# Altium PCB Magnetic-Sequencer.PcbDoc (part 1 of 3)
Units mm, origin at the board's own origin, x right, y up, seen from the top; angles counter-clockwise.
Board outline 395 x 395 mm, 2 copper layers (Top Layer, Bottom Layer), stack 1.569 mm thick; 301 components, 112 nets, 1084 pads, 626 vias.
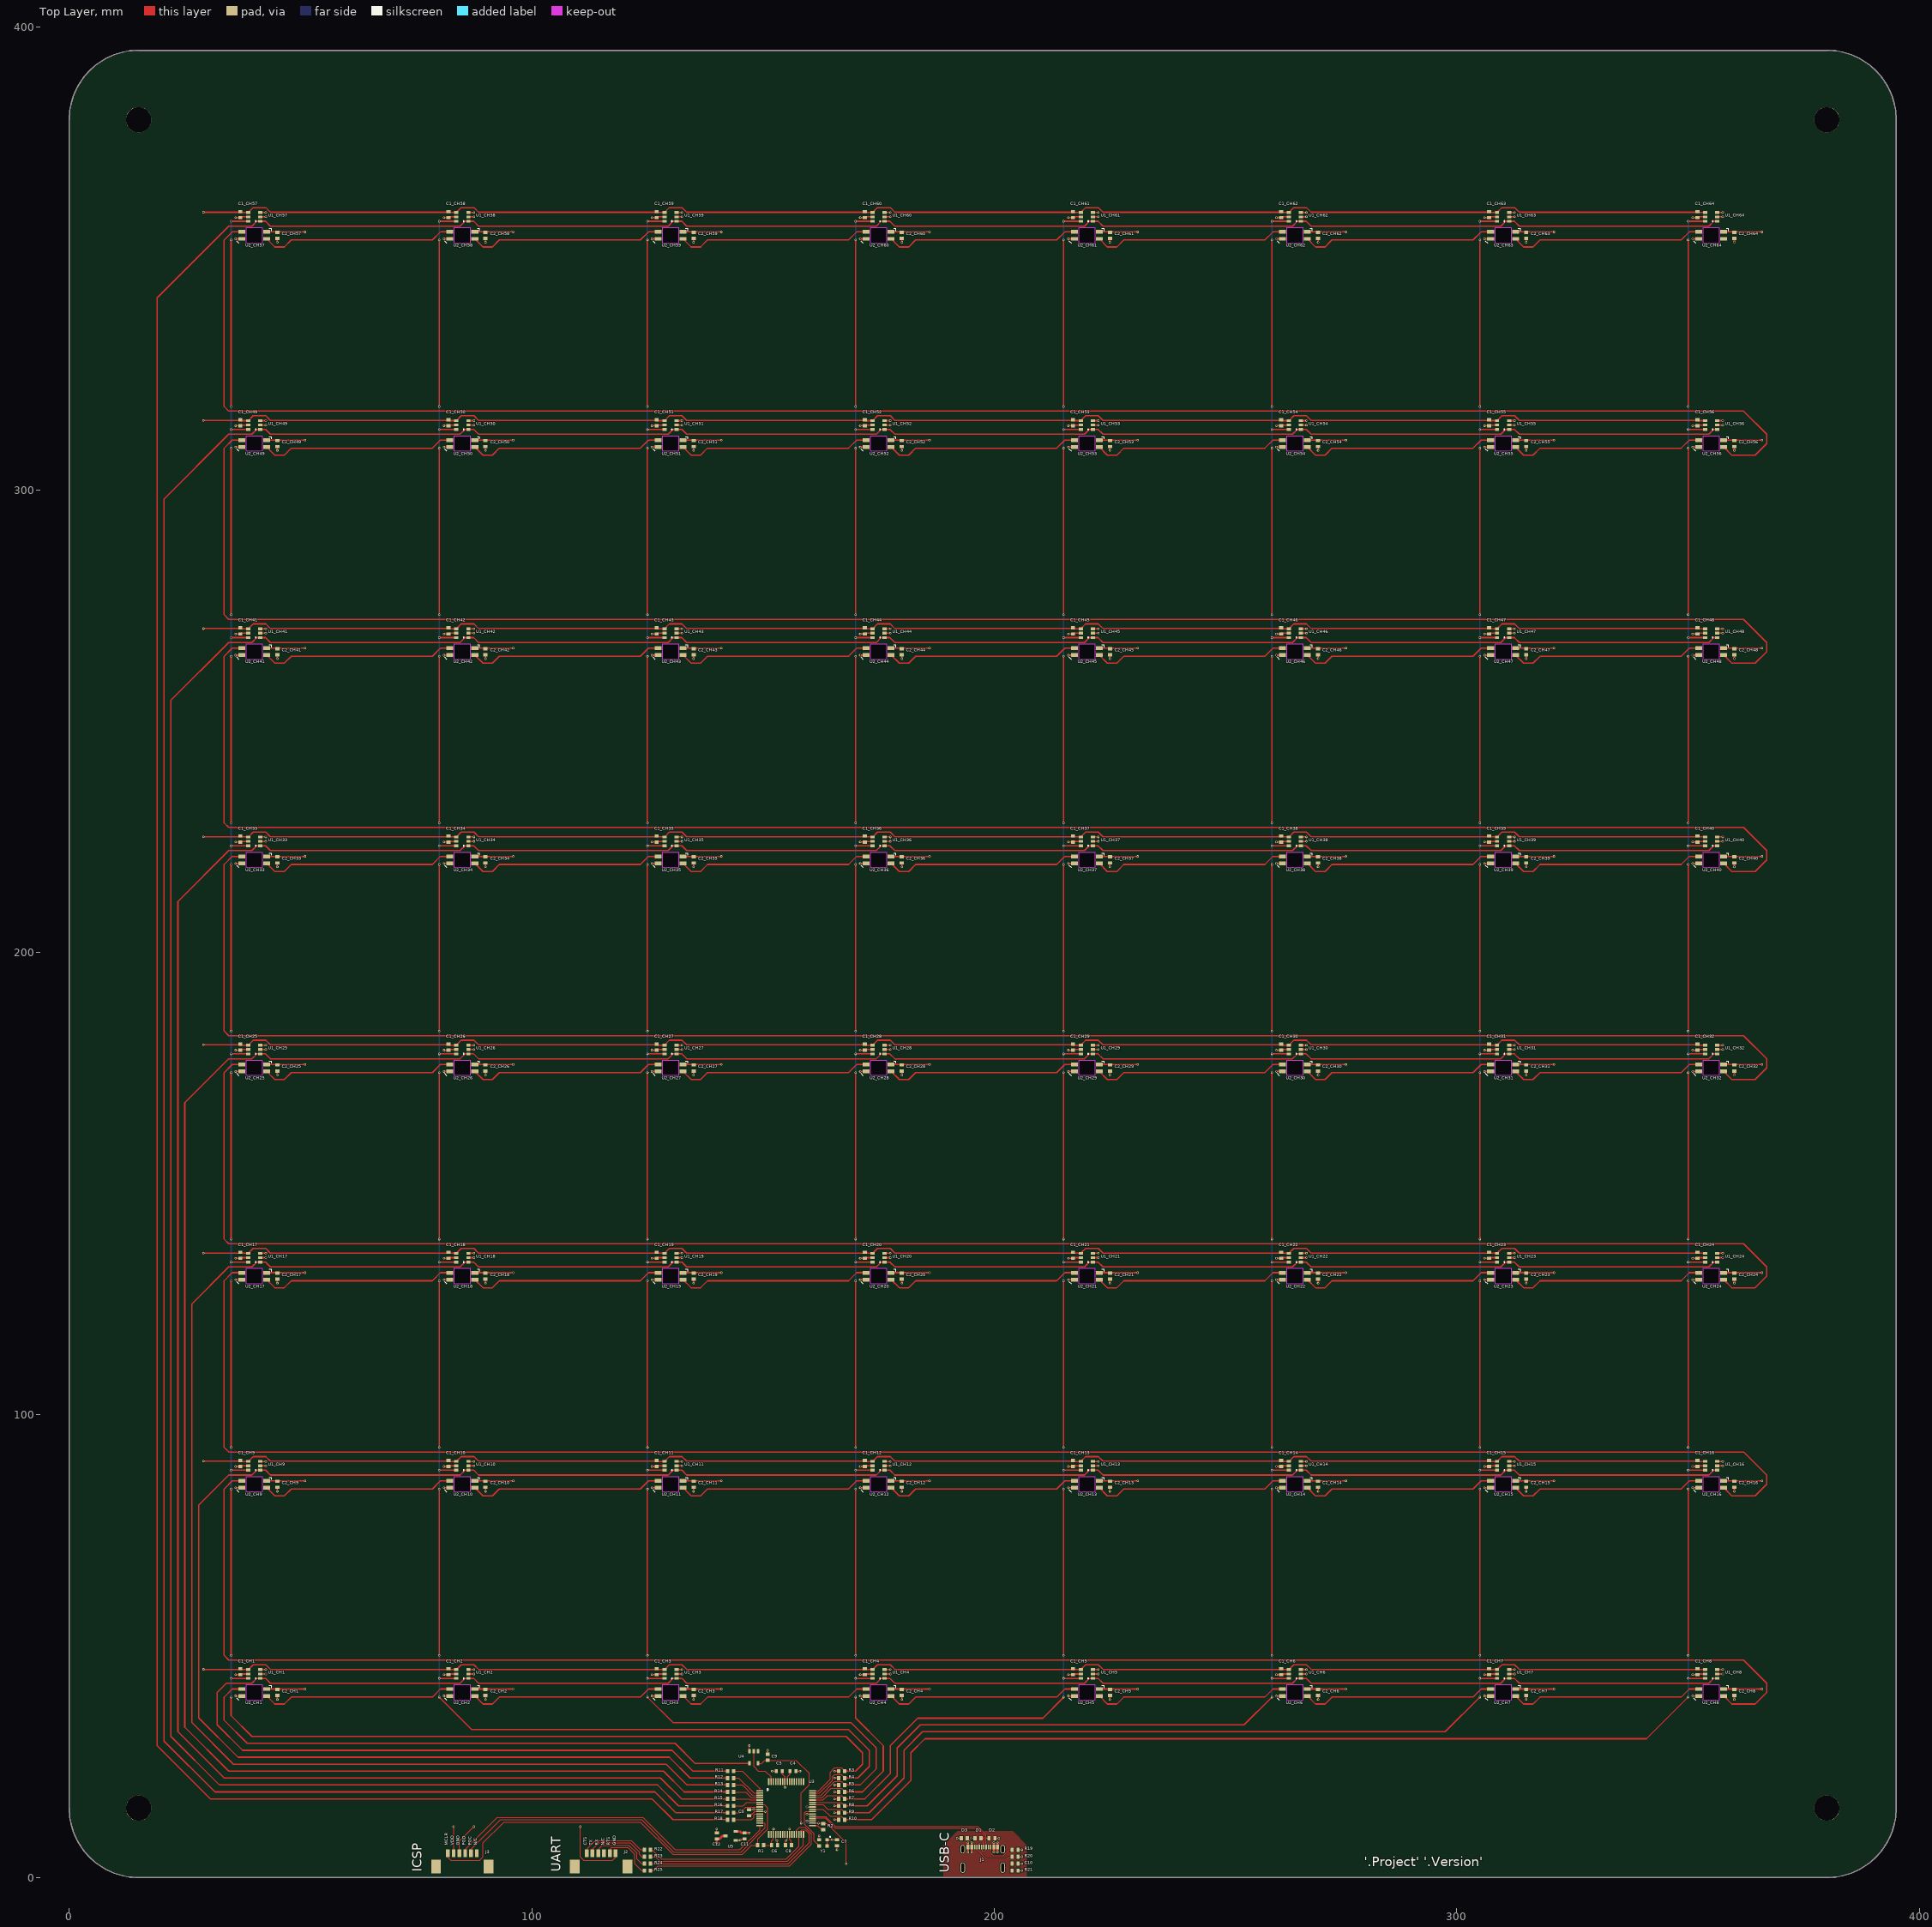
[diagram p0: Top Layer view]
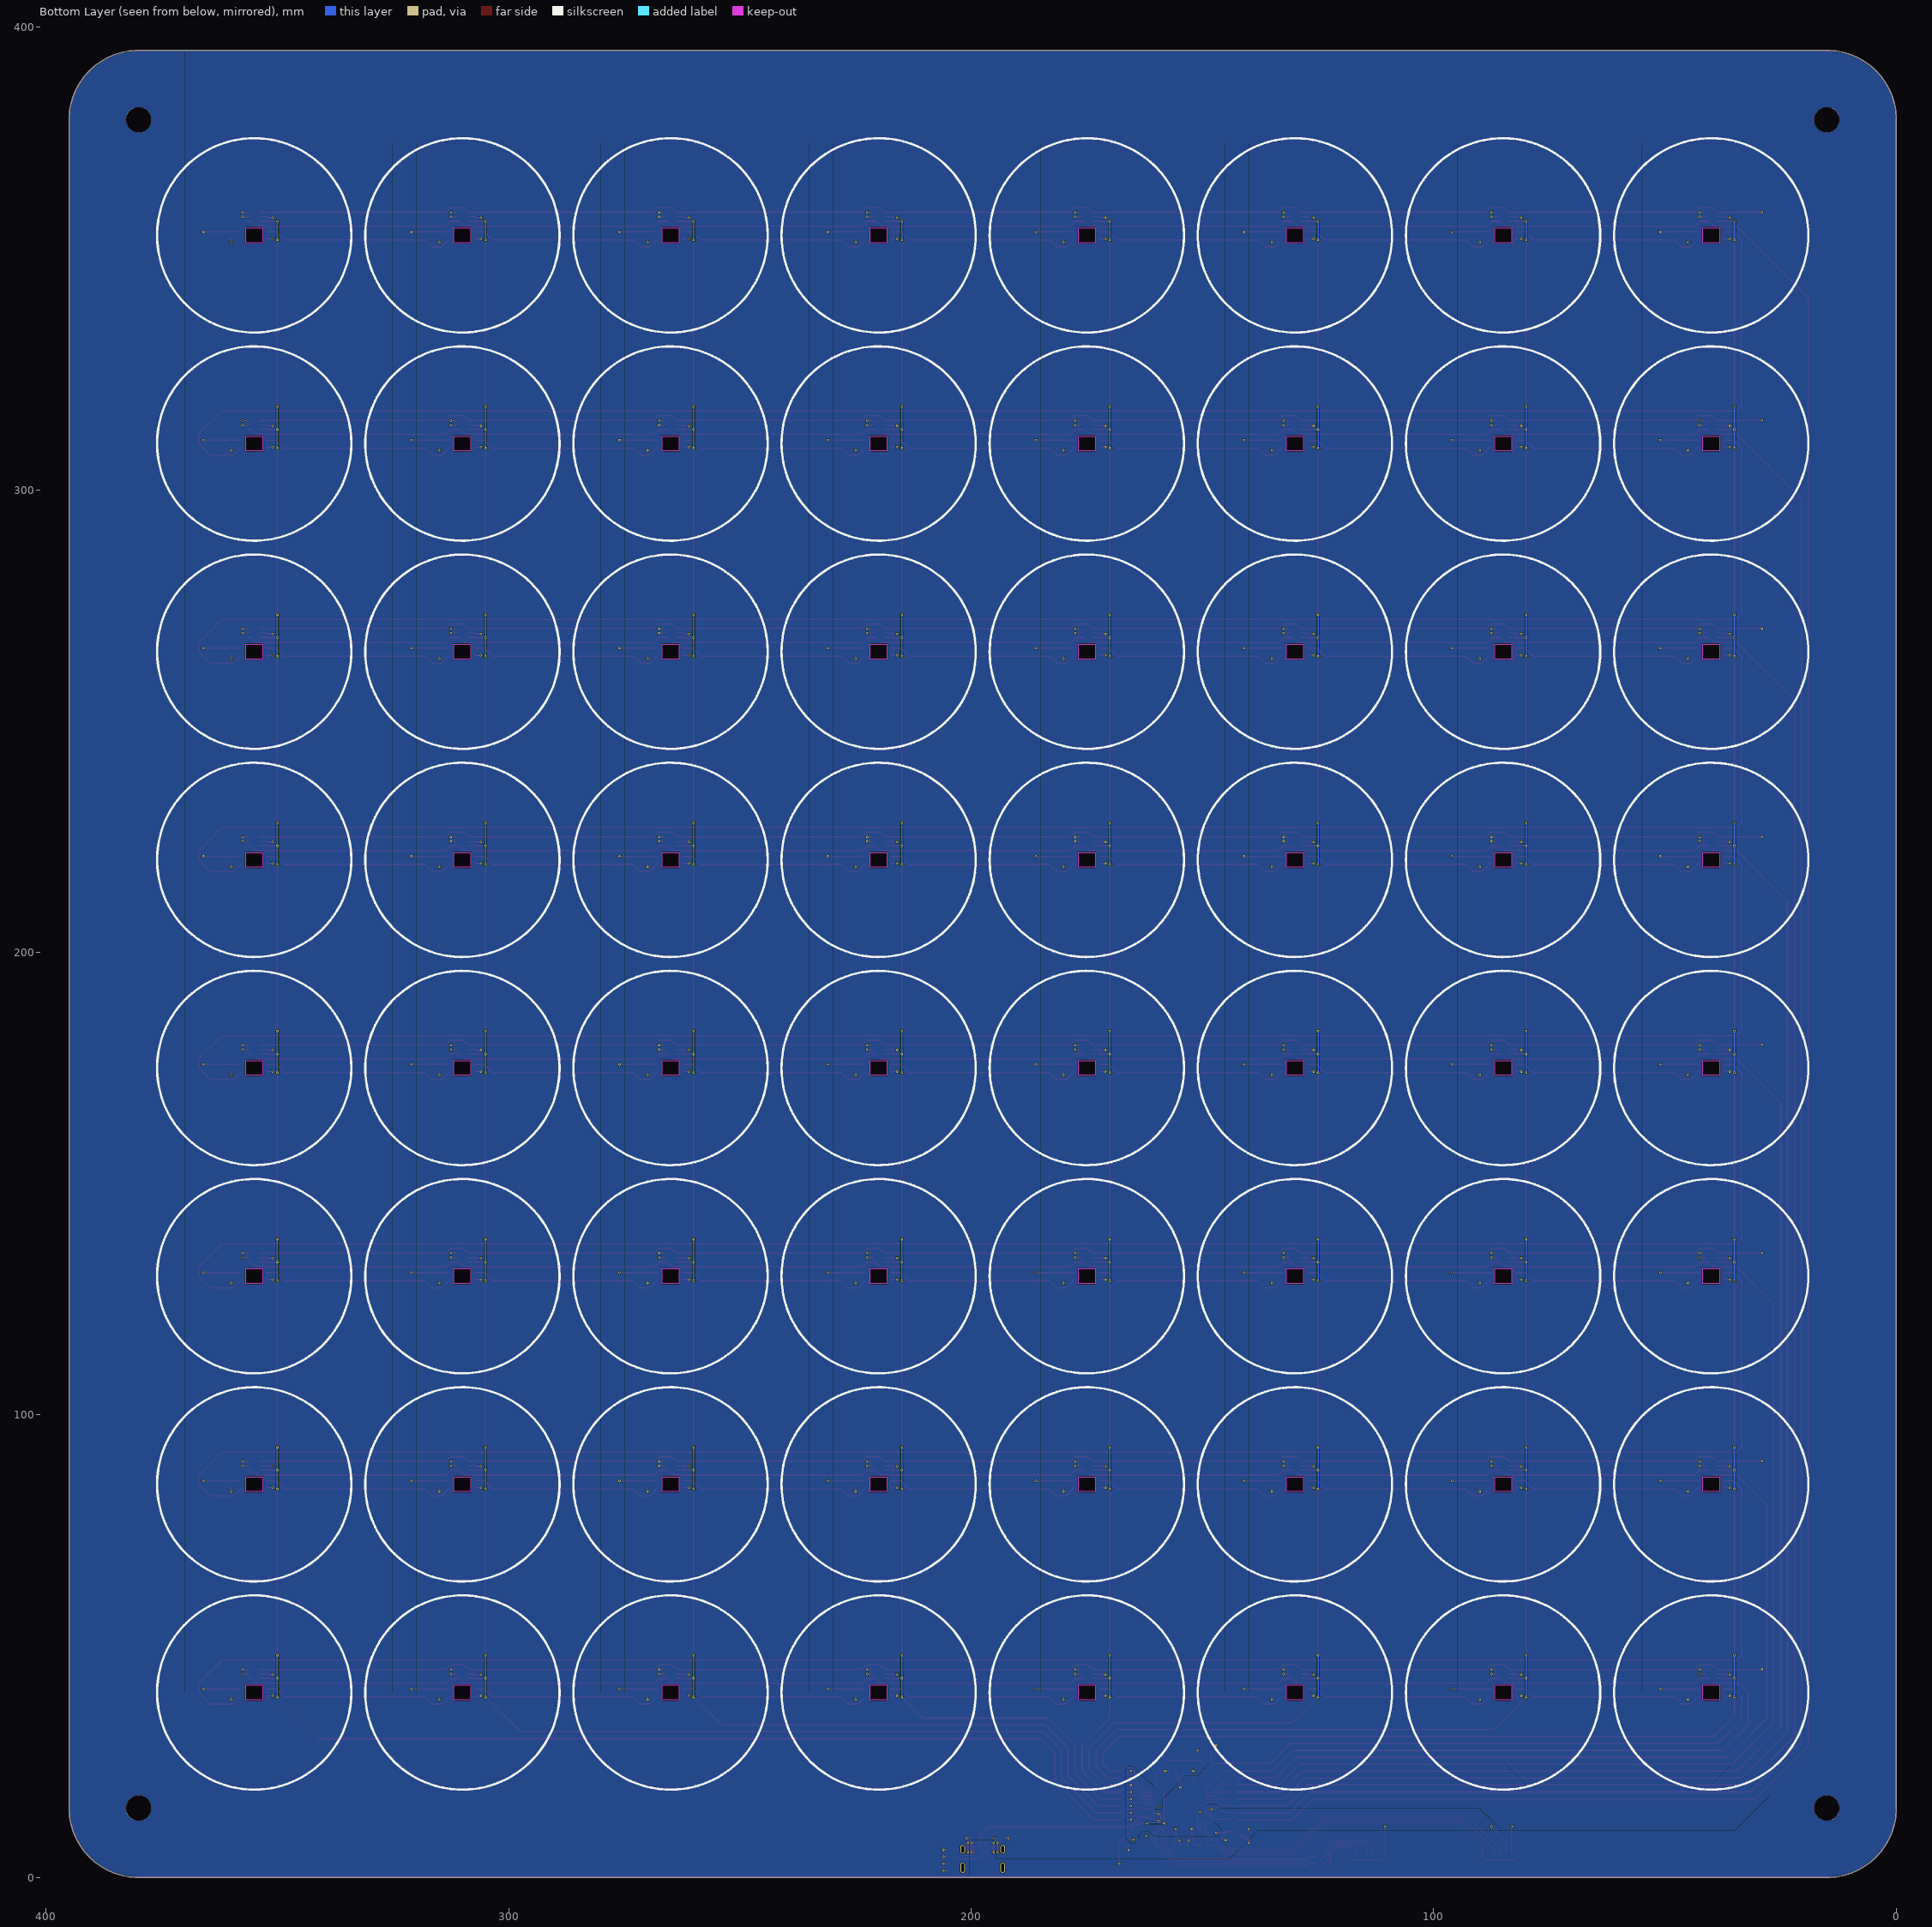
[diagram p1: Bottom Layer view, seen from below]
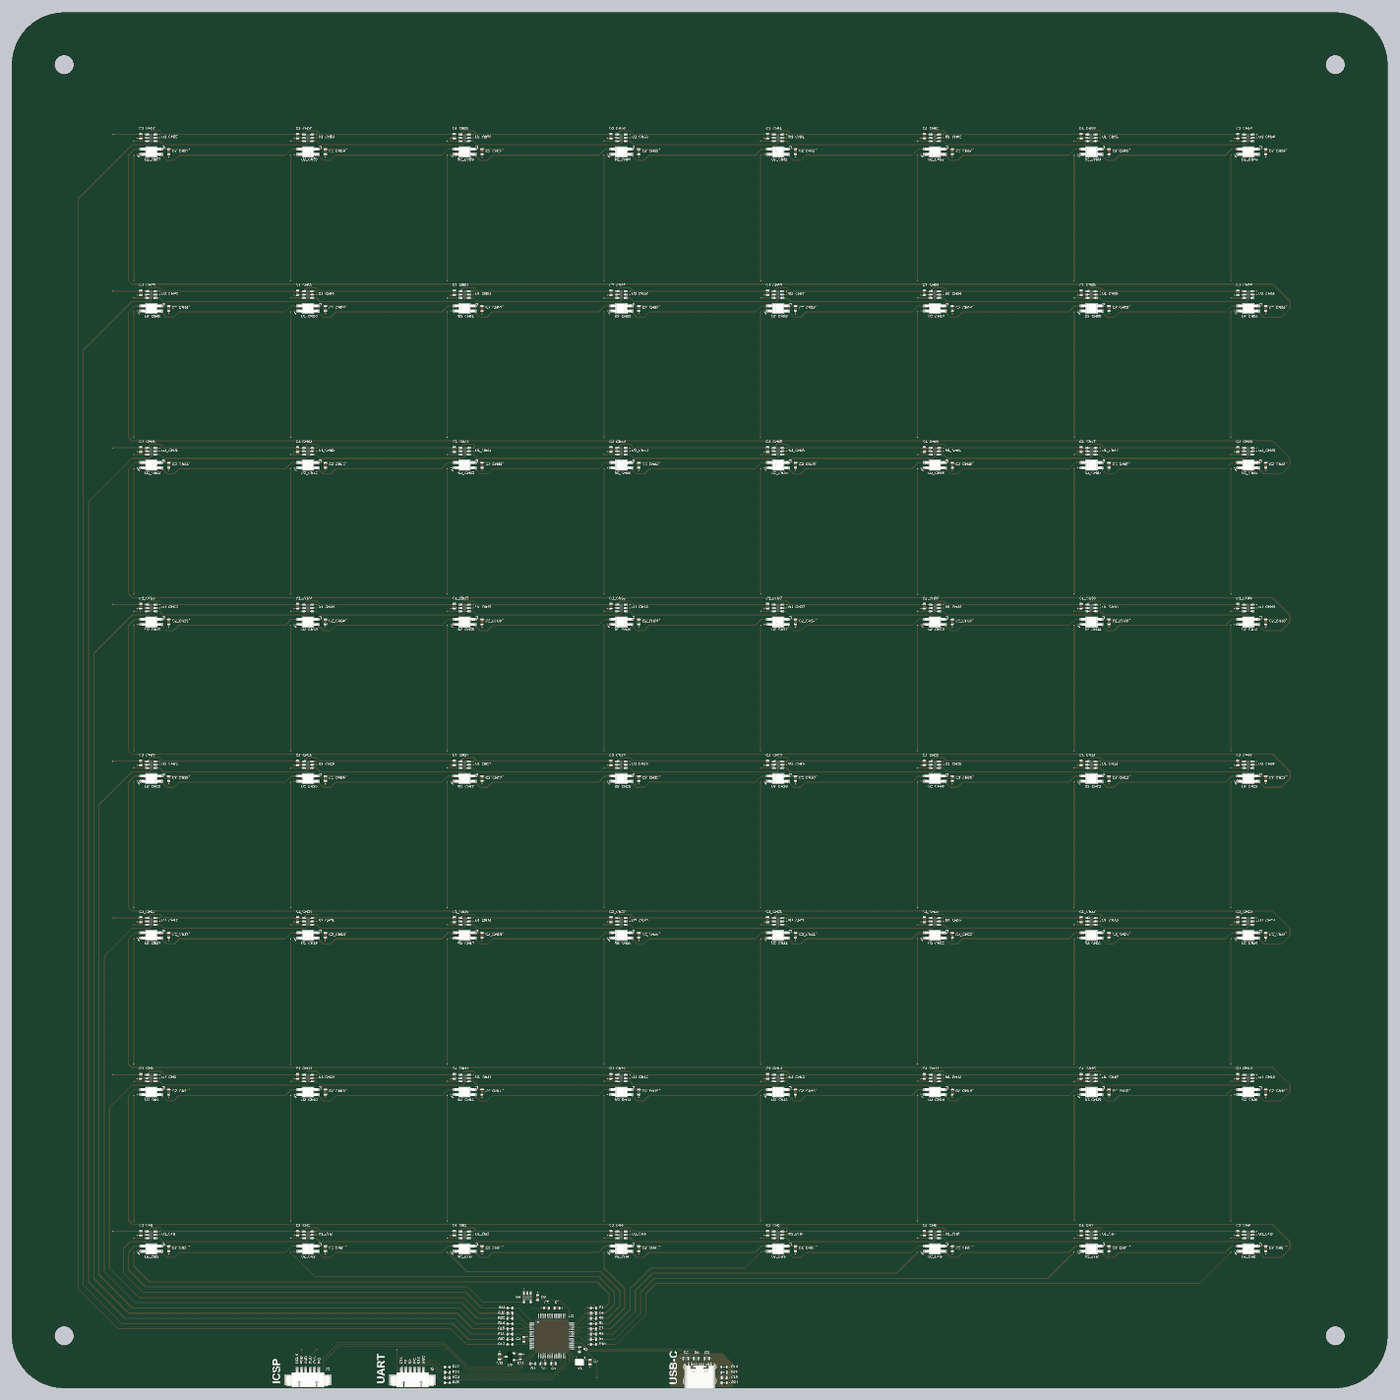
[diagram p4: 3D render of the assembled board from above, using the file's embedded part models]

## Layer stack, top to bottom
Top Solder: solder mask 0.0254, SM-001, Dk 4
Top Layer: signal copper 0.035
Dielectric 1: core 1.4986, Core-043, Dk 4.3
Bottom Layer: signal copper 0.035
Bottom Solder: solder mask 0.0254, SM-001, Dk 4

## Board outline
0,15 0,380 cw(c15,380) 15,395 380,395 cw(c380,380) 395,380 395,15 cw(c380,15) 380,0 15,0 cw(c15,15)

## Design rules (kind name [scope] priority, off if disabled: settings)
Clearance [All] p1: gap=0.15 ignorepadtopadclearanceinfootprint=FALSE except(0: Arc-Hole Track-Hole SMDPad-Hole THPad-Hole Via-Hole Fill-Hole Poly-Hole Region-Hole Text-Hole)
DiffPairsRouting [All] p1: maxlimit=0.15 minlimit=0.15 mostfreqgap=0.15 toplayer_minwidth=0.15 toplayer_maxwidth=0.15 toplayer_prefwidth=0.15 bottomlayer_minwidth=0.15 bottomlayer_maxwidth=0.15 bottomlayer_prefwidth=0.15 maxuncoupledlength=12.7
HoleSize [All] p1: absolutevalues=TRUE maxlimit=10 minlimit=0.025 maxpercent=80.000 minpercent=20.000
MinimumSolderMaskSliver [All] p1: minsoldermaskwidth=0
PlaneConnect [All] p1: planeconnectstyle=Direct reliefexpansion=0.508 reliefentries=4 reliefconductorwidth=0.254 reliefairgap=0.254
PolygonConnect [All] p1: connectstyle=Relief reliefconductorwidth=0.254 reliefentries=4 polygonreliefangle="90 Angle" airgapwidth=0.15
RoomDefinition PIC32MX [InComponentClass('PIC32MX')] p1: confinementstyle=ConfineIn formatcopy=TRUE lockcomponents=FALSE outline 141.644,11.694 141.644,23.806 146.296,23.806 146.296,28.106 149.704,28.106 149.704,27.356 151.806,27.356 151.806,23.806 157.856,23.806 168.356,23.806 168.356,11.694 166.806,11.694 166.806,6.144 164.954,6.144 164.954,6.139 161.389,6.139 161.389,6.194 148.144,6.194 148.144,11.694
RoomDefinition "3.3V Regulator" [InComponentClass('3.3V Regulator')] p2: confinementstyle=ConfineIn formatcopy=TRUE lockcomponents=FALSE outline 139.194,7.644 139.194,10.356 141.094,10.356 141.094,10.754 144.906,10.754 144.906,10.356 146.806,10.356 146.806,7.644 144.906,7.644 144.906,7.246 141.094,7.246 141.094,7.644
RoomDefinition CH1 [InComponentClass('CH1')] p3: confinementstyle=ConfineIn formatcopy=TRUE lockcomponents=FALSE outline 30,35 70,35 70,75 30,75
RoomDefinition CH2 [InComponentClass('CH2')] p4: confinementstyle=ConfineIn formatcopy=TRUE lockcomponents=FALSE outline 75,35 115,35 115,75 75,75
RoomDefinition CH3 [InComponentClass('CH3')] p5: confinementstyle=ConfineIn formatcopy=TRUE lockcomponents=FALSE outline 120,35 160,35 160,75 120,75
RoomDefinition CH4 [InComponentClass('CH4')] p6: confinementstyle=ConfineIn formatcopy=TRUE lockcomponents=FALSE outline 165,35 205,35 205,75 165,75
RoomDefinition CH5 [InComponentClass('CH5')] p7: confinementstyle=ConfineIn formatcopy=TRUE lockcomponents=FALSE outline 210,35 250,35 250,75 210,75
RoomDefinition CH6 [InComponentClass('CH6')] p8: confinementstyle=ConfineIn formatcopy=TRUE lockcomponents=FALSE outline 255,35 295,35 295,75 255,75
RoomDefinition CH7 [InComponentClass('CH7')] p9: confinementstyle=ConfineIn formatcopy=TRUE lockcomponents=FALSE outline 300,35 340,35 340,75 300,75
RoomDefinition CH8 [InComponentClass('CH8')] p10: confinementstyle=ConfineIn formatcopy=TRUE lockcomponents=FALSE outline 345,35 385,35 385,75 345,75
RoomDefinition CH9 [InComponentClass('CH9')] p11: confinementstyle=ConfineIn formatcopy=TRUE lockcomponents=FALSE outline 30,80 70,80 70,120 30,120
RoomDefinition CH10 [InComponentClass('CH10')] p12: confinementstyle=ConfineIn formatcopy=TRUE lockcomponents=FALSE outline 75,80 115,80 115,120 75,120
RoomDefinition CH11 [InComponentClass('CH11')] p13: confinementstyle=ConfineIn formatcopy=TRUE lockcomponents=FALSE outline 120,80 160,80 160,120 120,120
RoomDefinition CH12 [InComponentClass('CH12')] p14: confinementstyle=ConfineIn formatcopy=TRUE lockcomponents=FALSE outline 165,80 205,80 205,120 165,120
RoomDefinition CH13 [InComponentClass('CH13')] p15: confinementstyle=ConfineIn formatcopy=TRUE lockcomponents=FALSE outline 210,80 250,80 250,120 210,120
RoomDefinition CH14 [InComponentClass('CH14')] p16: confinementstyle=ConfineIn formatcopy=TRUE lockcomponents=FALSE outline 255,80 295,80 295,120 255,120
RoomDefinition CH15 [InComponentClass('CH15')] p17: confinementstyle=ConfineIn formatcopy=TRUE lockcomponents=FALSE outline 300,80 340,80 340,120 300,120
RoomDefinition CH16 [InComponentClass('CH16')] p18: confinementstyle=ConfineIn formatcopy=TRUE lockcomponents=FALSE outline 345,80 385,80 385,120 345,120
RoomDefinition CH17 [InComponentClass('CH17')] p19: confinementstyle=ConfineIn formatcopy=TRUE lockcomponents=FALSE outline 30,125 70,125 70,165 30,165
RoomDefinition CH18 [InComponentClass('CH18')] p20: confinementstyle=ConfineIn formatcopy=TRUE lockcomponents=FALSE outline 75,125 115,125 115,165 75,165
RoomDefinition CH19 [InComponentClass('CH19')] p21: confinementstyle=ConfineIn formatcopy=TRUE lockcomponents=FALSE outline 120,125 160,125 160,165 120,165
RoomDefinition CH20 [InComponentClass('CH20')] p22: confinementstyle=ConfineIn formatcopy=TRUE lockcomponents=FALSE outline 165,125 205,125 205,165 165,165
RoomDefinition CH21 [InComponentClass('CH21')] p23: confinementstyle=ConfineIn formatcopy=TRUE lockcomponents=FALSE outline 210,125 250,125 250,165 210,165
RoomDefinition CH22 [InComponentClass('CH22')] p24: confinementstyle=ConfineIn formatcopy=TRUE lockcomponents=FALSE outline 255,125 295,125 295,165 255,165
RoomDefinition CH23 [InComponentClass('CH23')] p25: confinementstyle=ConfineIn formatcopy=TRUE lockcomponents=FALSE outline 300,125 340,125 340,165 300,165
RoomDefinition CH24 [InComponentClass('CH24')] p26: confinementstyle=ConfineIn formatcopy=TRUE lockcomponents=FALSE outline 345,125 385,125 385,165 345,165
RoomDefinition CH25 [InComponentClass('CH25')] p27: confinementstyle=ConfineIn formatcopy=TRUE lockcomponents=FALSE outline 30,170 70,170 70,210 30,210
RoomDefinition CH26 [InComponentClass('CH26')] p28: confinementstyle=ConfineIn formatcopy=TRUE lockcomponents=FALSE outline 75,170 115,170 115,210 75,210
RoomDefinition CH27 [InComponentClass('CH27')] p29: confinementstyle=ConfineIn formatcopy=TRUE lockcomponents=FALSE outline 120,170 160,170 160,210 120,210
RoomDefinition CH28 [InComponentClass('CH28')] p30: confinementstyle=ConfineIn formatcopy=TRUE lockcomponents=FALSE outline 165,170 205,170 205,210 165,210
RoomDefinition CH29 [InComponentClass('CH29')] p31: confinementstyle=ConfineIn formatcopy=TRUE lockcomponents=FALSE outline 210,170 250,170 250,210 210,210
RoomDefinition CH30 [InComponentClass('CH30')] p32: confinementstyle=ConfineIn formatcopy=TRUE lockcomponents=FALSE outline 255,170 295,170 295,210 255,210
RoomDefinition CH31 [InComponentClass('CH31')] p33: confinementstyle=ConfineIn formatcopy=TRUE lockcomponents=FALSE outline 300,170 340,170 340,210 300,210
RoomDefinition CH32 [InComponentClass('CH32')] p34: confinementstyle=ConfineIn formatcopy=TRUE lockcomponents=FALSE outline 345,170 385,170 385,210 345,210
RoomDefinition CH33 [InComponentClass('CH33')] p35: confinementstyle=ConfineIn formatcopy=TRUE lockcomponents=FALSE outline 30,215 70,215 70,255 30,255
RoomDefinition CH34 [InComponentClass('CH34')] p36: confinementstyle=ConfineIn formatcopy=TRUE lockcomponents=FALSE outline 75,215 115,215 115,255 75,255
RoomDefinition CH35 [InComponentClass('CH35')] p37: confinementstyle=ConfineIn formatcopy=TRUE lockcomponents=FALSE outline 120,215 160,215 160,255 120,255
RoomDefinition CH36 [InComponentClass('CH36')] p38: confinementstyle=ConfineIn formatcopy=TRUE lockcomponents=FALSE outline 165,215 205,215 205,255 165,255
RoomDefinition CH37 [InComponentClass('CH37')] p39: confinementstyle=ConfineIn formatcopy=TRUE lockcomponents=FALSE outline 210,215 250,215 250,255 210,255
RoomDefinition CH38 [InComponentClass('CH38')] p40: confinementstyle=ConfineIn formatcopy=TRUE lockcomponents=FALSE outline 255,215 295,215 295,255 255,255
RoomDefinition CH39 [InComponentClass('CH39')] p41: confinementstyle=ConfineIn formatcopy=TRUE lockcomponents=FALSE outline 300,215 340,215 340,255 300,255
RoomDefinition CH40 [InComponentClass('CH40')] p42: confinementstyle=ConfineIn formatcopy=TRUE lockcomponents=FALSE outline 345,215 385,215 385,255 345,255
RoomDefinition CH41 [InComponentClass('CH41')] p43: confinementstyle=ConfineIn formatcopy=TRUE lockcomponents=FALSE outline 30,260 70,260 70,300 30,300
RoomDefinition CH42 [InComponentClass('CH42')] p44: confinementstyle=ConfineIn formatcopy=TRUE lockcomponents=FALSE outline 75,260 115,260 115,300 75,300
RoomDefinition CH43 [InComponentClass('CH43')] p45: confinementstyle=ConfineIn formatcopy=TRUE lockcomponents=FALSE outline 120,260 160,260 160,300 120,300
RoomDefinition CH44 [InComponentClass('CH44')] p46: confinementstyle=ConfineIn formatcopy=TRUE lockcomponents=FALSE outline 165,260 205,260 205,300 165,300
RoomDefinition CH45 [InComponentClass('CH45')] p47: confinementstyle=ConfineIn formatcopy=TRUE lockcomponents=FALSE outline 210,260 250,260 250,300 210,300
RoomDefinition CH46 [InComponentClass('CH46')] p48: confinementstyle=ConfineIn formatcopy=TRUE lockcomponents=FALSE outline 255,260 295,260 295,300 255,300
RoomDefinition CH47 [InComponentClass('CH47')] p49: confinementstyle=ConfineIn formatcopy=TRUE lockcomponents=FALSE outline 300,260 340,260 340,300 300,300
RoomDefinition CH48 [InComponentClass('CH48')] p50: confinementstyle=ConfineIn formatcopy=TRUE lockcomponents=FALSE outline 345,260 385,260 385,300 345,300
RoomDefinition CH49 [InComponentClass('CH49')] p51: confinementstyle=ConfineIn formatcopy=TRUE lockcomponents=FALSE outline 30,305 70,305 70,345 30,345
RoomDefinition CH50 [InComponentClass('CH50')] p52: confinementstyle=ConfineIn formatcopy=TRUE lockcomponents=FALSE outline 75,305 115,305 115,345 75,345
RoomDefinition CH51 [InComponentClass('CH51')] p53: confinementstyle=ConfineIn formatcopy=TRUE lockcomponents=FALSE outline 120,305 160,305 160,345 120,345
RoomDefinition CH52 [InComponentClass('CH52')] p54: confinementstyle=ConfineIn formatcopy=TRUE lockcomponents=FALSE outline 165,305 205,305 205,345 165,345
RoomDefinition CH53 [InComponentClass('CH53')] p55: confinementstyle=ConfineIn formatcopy=TRUE lockcomponents=FALSE outline 210,305 250,305 250,345 210,345
RoomDefinition CH54 [InComponentClass('CH54')] p56: confinementstyle=ConfineIn formatcopy=TRUE lockcomponents=FALSE outline 255,305 295,305 295,345 255,345
RoomDefinition CH55 [InComponentClass('CH55')] p57: confinementstyle=ConfineIn formatcopy=TRUE lockcomponents=FALSE outline 300,305 340,305 340,345 300,345
RoomDefinition CH56 [InComponentClass('CH56')] p58: confinementstyle=ConfineIn formatcopy=TRUE lockcomponents=FALSE outline 345,305 385,305 385,345 345,345